# KiCad board control.kicad_pcb (continued)
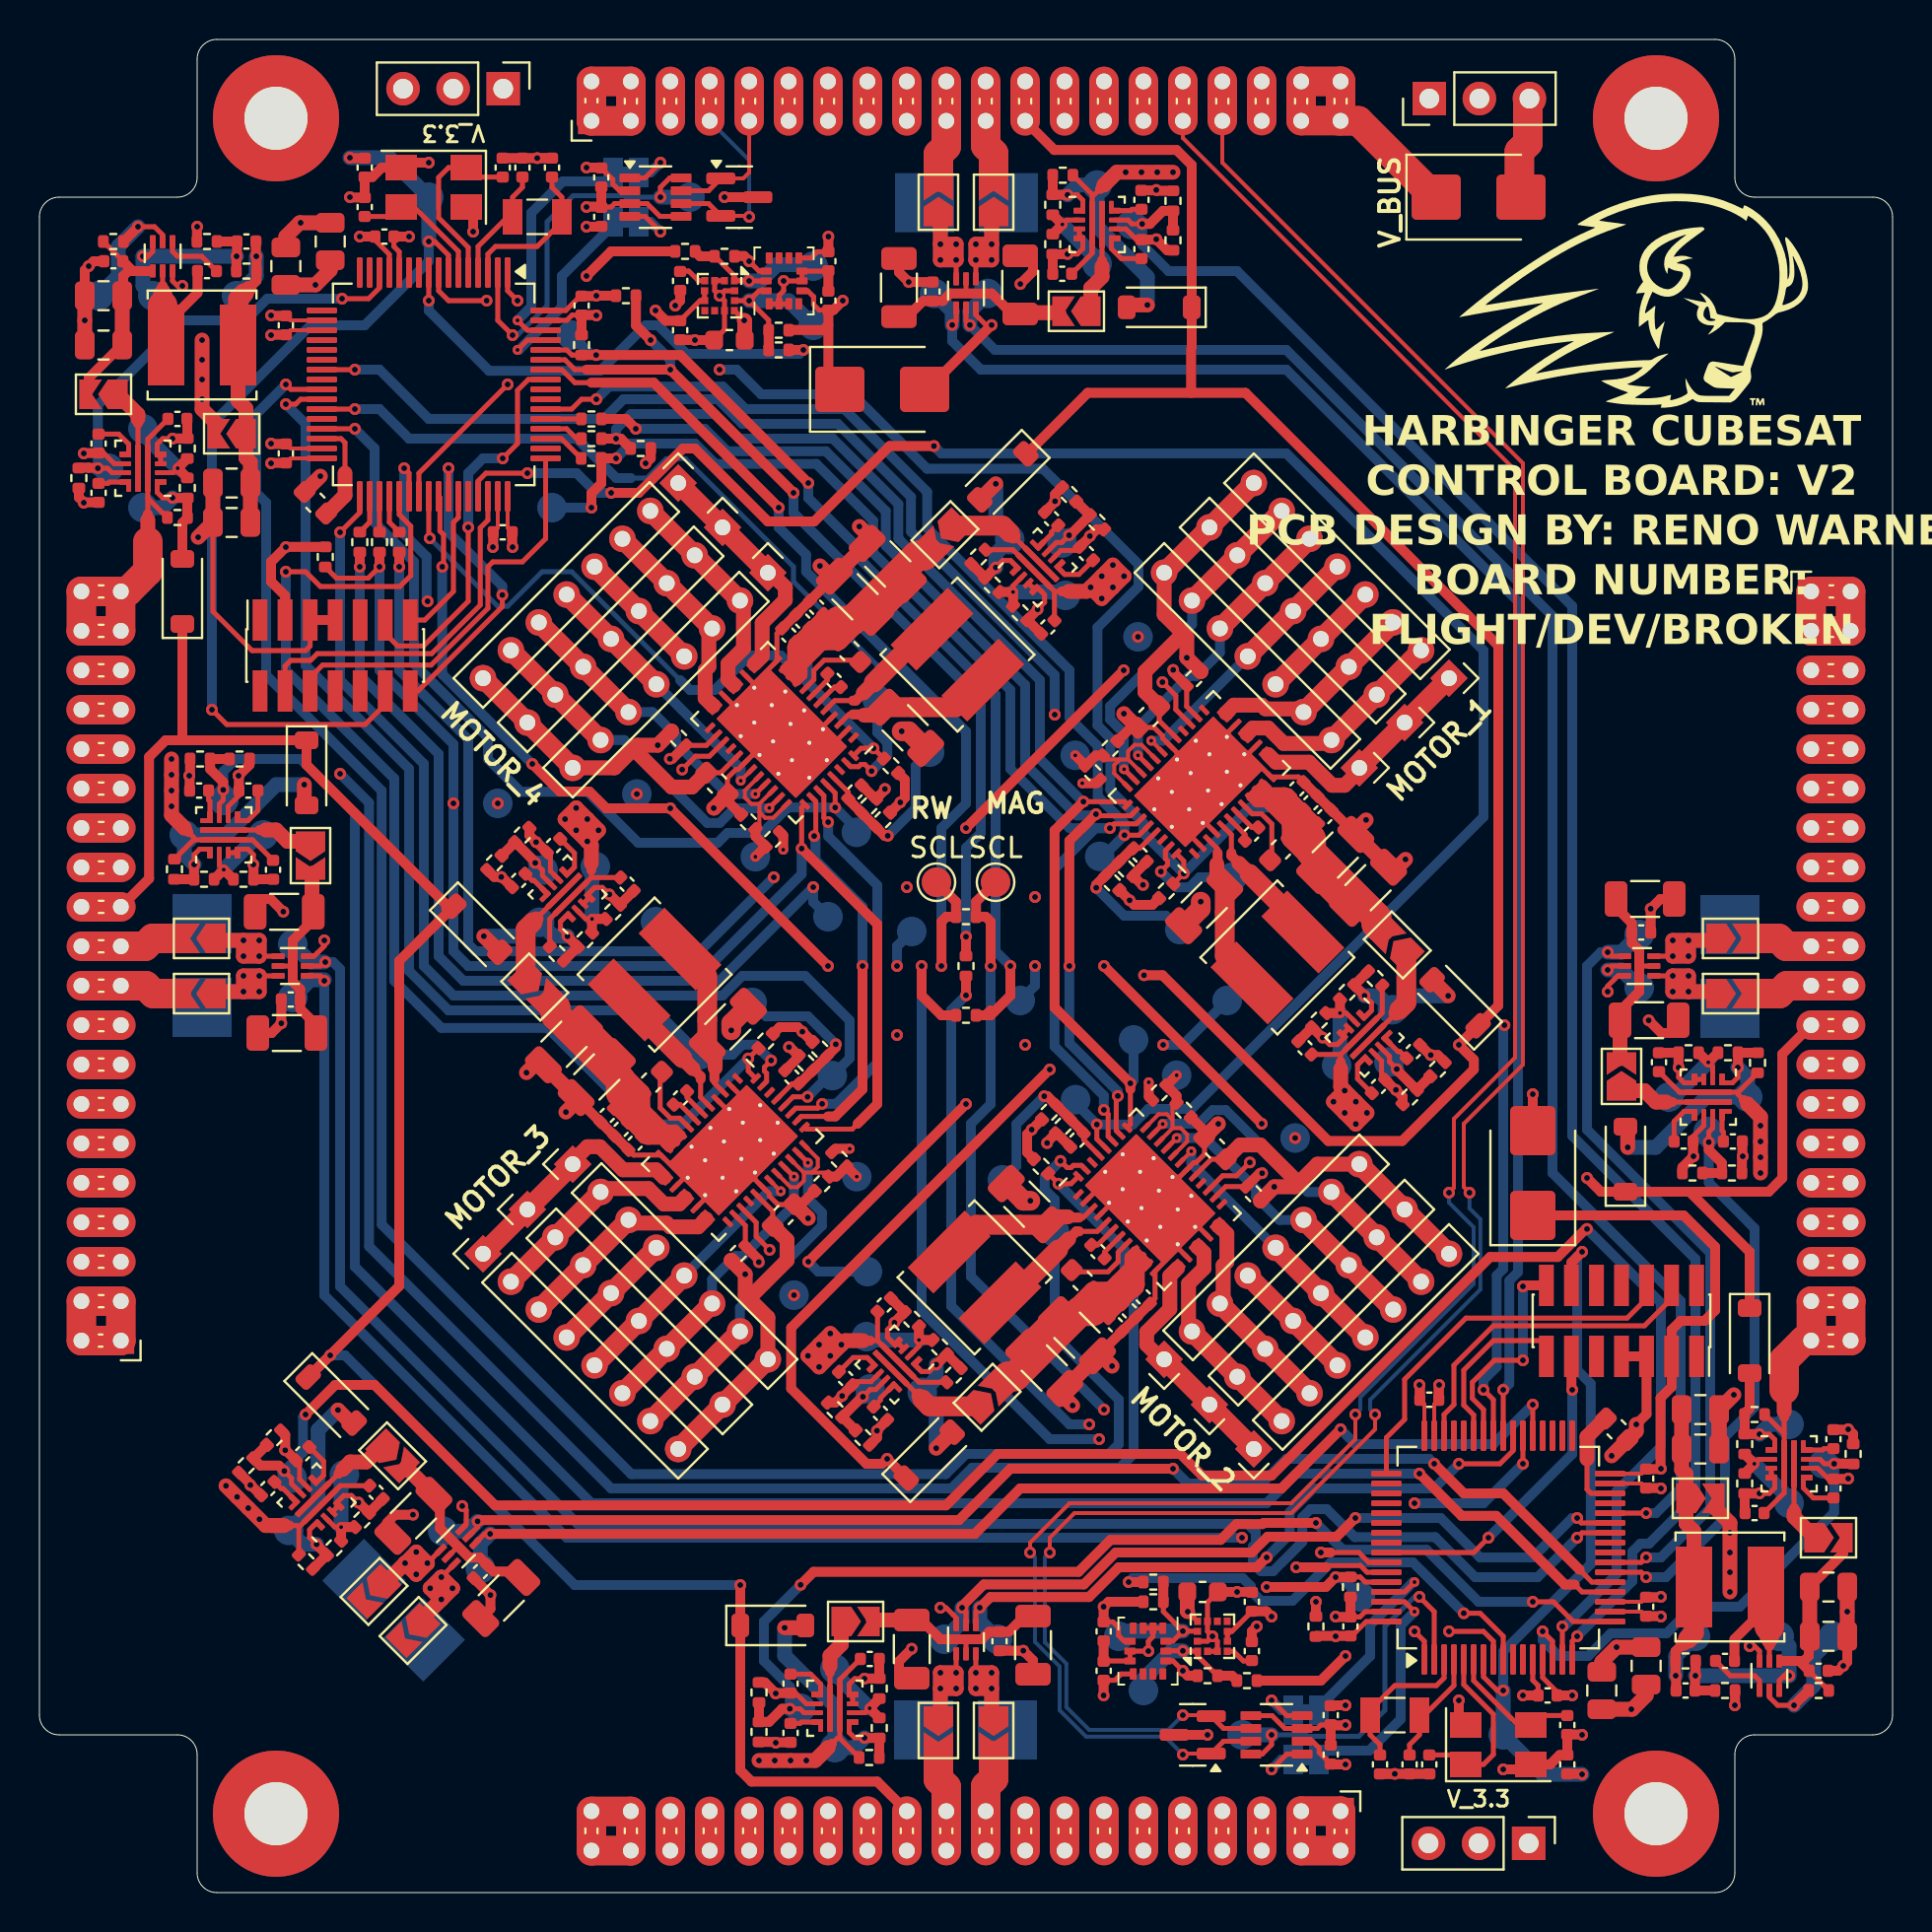
[diagram p0: board, top side]
## Routing (per net, layer and track width the routed paths; a pad name or vN(x,y) marks a point on that pad's centre or on a via; arc(x,y) is an arc through that point) (continued)
/REACTION WHEELS/SPI_3.MISO: length 61.1
  Top w0.25: U4.33 55.03,55.34 v1(52.96,55.34) ; 55.34,40.75 55.34,38.97 U12.33
  Top w0.5: 55.34,40.75 v1(55.34,41.05) 51.49,44.89 51.49,53.88 v1(52.96,55.34) ; R12.2 v1(29.25,73.75) 29.49,73.75 R16.2
  Bottom w0.5: TP7.1 55.5,41.21 v1(55.34,41.05) ; v1(52.96,55.34) 52.91,55.34 50.75,57.5 50.75,61.5 43.57,68.68 43.57,70.43 40.25,73.75 35.5,73.75 34.25,75 30.01,75 29.25,74.24 v1(29.25,73.75)
/REACTION WHEELS/SPI_3.MOSI: length 65
  Top w0.25: v1(54.7,40.41) 54.62,40.33 54.62,38.65 U12.34 ; U4.34 55.35,54.62 53.67,54.62 v1(53.59,54.7)
  Top w0.5: v1(52.24,47) 52.24,53.35 v1(53.59,54.7) 53.57,54.7 ; R13.2 29.75,74.75 v1(30.25,74.25)
  In2.Cu w0.5: v1(57,43) 56.3,43 54.64,41.34 54.64,40.47 v1(54.7,40.41)
  Bottom w0.5: v1(53.59,54.7) 53.53,54.64 52.61,54.64 50,57.25 50,61.25 42.93,68.32 42.93,70.07 39.89,73.11 34.89,73.11 33.75,74.25 v1(30.25,74.25) ; v1(57,43) 58,43 TP8.1 ; v1(54.7,40.41) 54.7,40.63 52.24,43.09 v1(52.24,47)
/REACTION WHEELS/V_3.3: length 56.2
  Top w0.2: U25.32 12.73,72.75 C108.1 ; C103.1 23.75,69.23 U25.48 ; U25.19 12.73,79.25 C106.1
  Top w0.25: U25.13 17.75,83.09 17.02,83.82 C109.1 ; U11.12 36.5,82.25 v1(36,82.75) ; v1(35.75,79.75) 35.26,80.24 U7.10 ; U26.5 31.48,85.03 30.82,85.67 U26.3 29.18,85.67 29,85.5 28.52,85.5 28.5,85.52 ; U11.5 38.97,81.25 39.27,80.95 39.27,80.55 39.55,80.27 C38.1 ; C37.1 39.45,83.23 39.13,82.91 U11.8 ; C25.1 32.5,79.74 33.51,80.75 U7.6 U7.5 ; 28.52,86.5 28.5,86.48 ; U25.64 26.7,80.25 27.43,80.98 C110.1 ; v1(24.25,80.75) 23.75,81.25 U25.1
  Top w0.5: C108.1 11.77,72.52 v1(11.75,72.5) ; D2.1 40,76.85 40,77 40.02,77.02 C38.1 40.27,80.27 v1(40.75,80.75) ; R16.1 31.01,72.76 v1(30.75,72.5) ; J19.3 12.46,65.79 11.75,66.5 11.75,67.5 v1(12.5,68.25) 12.51,68.26 R15.1 ; 38.01,79.26 39.77,79.26 40.02,79.51 ; C110.1 28.23,80.98 v1(28.25,81) R1.1 ; 28.48,85.5 28.5,85.52 27.77,85.52 v1(27.75,85.5) ; C106.1 11.77,79.02 v1(11.75,79) ; 28.48,86.5 28.5,86.48 C116.1 ; C109.1 v1(16.25,84) ; C25.1 31.77,79.73 v1(31.25,80.25) ; 36,82.76 35.75,83.01 35.26,83.01 ; v1(40.02,84) C37.1 ; C103.1 23.98,68.27 v1(24,68.25)
  Top w0.75: v1(35.75,79.75) 35.77,79.72 C26.1 35.75,78.78 ; v1(8.25,78.75) v1(8.25,75.75) 8.25,75.25 9,74.5 ; C105.1 12.5,84 13.2,84.7 v1(13.25,84.7) 14.5,84.7
  vias: v1(8.25,77.75) v1(8.25,76.75)
/SHUTDOWN: length 297.3
  Top w0.5: D7.1 86.75,32.5 83.7,35.55 80.7,35.55 ; v1(14.75,27.25) 13.65,26.15 D13.1 18.25,30.77 18.25,47.26 D11.1 20.72,50.03 13.55,57.2 D5.1 6.4,58.45 5.56,57.61 5.56,51.43 J3.23 ; J1.23 42.5,5.63 36.12,5.63 35.55,6.2 v1(35.55,15.6) ; 58.42,76.07 61.18,76.07 74,63.25 74,44.99 D10.1 72.97,43.97 v1(72,43) 72.76,42.24 72.76,41.76 69.12,38.12 65.38,38.12 56.97,46.53 v1(56.03,46.53) ; 58.42,76.07 58.42,78.29 ; 58.42,76.07 53.17,76.07 50,72.9 ; 58.45,78.4 58.45,87.62 57.68,88.39 51.48,88.39 J2.23 ; 7.25,58.45 D3.1 ; J4.23 88.41,42.54 88.41,36.24 87.72,35.55 79.2,35.55 v1(78.5,36.25) ; v1(51.25,41.75) 51.23,41.75 38.13,28.65 38.13,25.57 41.95,21.75 42.75,21.75 v1(43,22) 43.97,21.03 D9.1
  Top w1.5: J4.24 J4.23 ; J3.24 J3.23 ; J2.24 J2.23 ; J1.24 J1.23
  In1.Cu w0.5: v1(72,43) 72,40.01 75.76,36.25 v1(78.5,36.25)
  In1.Cu w0.75: v1(35.55,15.6) 36.6,15.6 v1(43,22)
  In2.Cu w0.5: v1(56.03,46.53) v1(51.25,41.75)
  Bottom w0.5: v1(35.55,15.6) 27.15,15.6 15.5,27.25 v1(14.75,27.25)
/V_BUS: length 184.2
  Top w0.25: U6.5 40.6,10.8 ; U6.5 40.6,7.83 R30.1 ; U6.5 40.6,10.81 C22.1 ; 42.51,27.99 U10.5 44.62,25.89 R43.1 ; 42.51,27.99 C34.1 ; 42.51,27.99 42.13,27.99 ; U20.5 15.27,20.64 C84.1 ; U20.5 15.26,20.63 ; U20.5 13.16,18.53 R85.1 ; 66.01,42.51 U1.5 68.11,44.62 R6.1 ; 66.01,42.51 66.01,42.13 ; 66.01,42.51 C1.1 ; 27.99,51.49 27.99,51.87 ; 27.99,51.49 U13.5 25.89,49.38 R60.1 ; 27.99,51.49 C49.1 ; U18.5 83.19,40.6 C78.1 ; U18.5 86.17,40.6 R80.1 ; U18.5 83.2,40.6 ; U21.5 53.4,83.15 C87.1 ; U21.5 53.4,86.13 R88.1 ; U21.5 53.4,83.16 ; R71.1 49.38,68.11 U15.5 51.49,66.01 ; 51.49,66.01 C62.1 ; 51.49,66.01 51.87,66.01 ; 7.85,53.5 7.55,53.8 ; 5.5,69.92 5.5,70.73 ; 5.5,70.73 U23.5 5.5,73.73 C93.1 ; 5.5,70.73 6.48,69.75 ; 86.15,40.5 86.45,40.2 ; 13.1,18.62 12.68,18.62 ; C31.1 10.81,53.4 U9.5 ; R35.1 7.83,53.4 U9.5 ; 40.5,7.85 40.2,7.55 ; U9.5 10.8,53.4 ; 88.5,24.11 88.5,23.3 ; 53.5,86.11 53.8,86.41 ; C118.1 88.5,20.27 U27.5 88.5,23.27 87.52,24.25
  Top w0.5: 7.35,54 7.55,53.8 ; 66.01,41.78 66.01,42.13 ; 40,7.35 40.2,7.55 ; 52.22,66.01 51.87,66.01 ; 27.99,52.22 27.99,51.87 ; 5.5,69.92 5.5,69.62 ; 54,86.61 53.8,86.41 ; 88.5,24.11 88.5,24.41 ; 41.78,27.99 42.13,27.99 ; 86.65,40 86.45,40.2 ; 12.4,18.62 12.68,18.62
  Top w0.75: v1(66.77,38.98) v1(66.77,40.12) v1(66.21,39.55) ; v1(66.77,38.98) v1(67.34,39.55) v1(66.21,40.68) ; v1(66.77,38.98) v1(66.21,39.55) ; v1(66.21,40.68) v1(65.64,40.12) v1(66.21,39.55) ; v1(66.21,40.68) v1(66.21,39.55) ; v1(66.21,40.68) 66.01,40.88 66.01,41.78 ; v1(38.98,27.23) v1(39.55,26.66) v1(40.68,27.79) ; v1(38.98,27.23) v1(39.55,27.79) ; v1(38.98,27.23) v1(40.12,27.23) v1(39.55,27.79) ; 87.1,39.55 86.65,40 87.3,39.35 v1(87.3,38.1) v1(87.3,37.3) v1(87.3,36.5) ; v1(53.32,66.21) 53.12,66.01 52.22,66.01 ; v1(53.32,66.21) v1(53.88,65.64) v1(54.45,66.21) ; v1(53.32,66.21) v1(54.45,66.21) ; v1(53.32,66.21) v1(54.45,67.34) v1(55.02,66.77) ; v1(55.02,66.77) v1(54.45,66.21) ; v1(55.02,66.77) v1(53.88,66.77) v1(54.45,66.21) ; 88.5,24.81 88.5,24.41 ; v1(27.23,55.02) v1(27.79,54.45) ; v1(27.23,55.02) v1(27.23,53.88) v1(27.79,54.45) ; v1(27.23,55.02) v1(26.66,54.45) v1(27.79,53.32) ; v1(27.79,54.45) v1(27.79,53.32) ; v1(27.79,54.45) v1(28.36,53.88) v1(27.79,53.32) ; 27.99,52.22 27.99,53.12 v1(27.79,53.32) ; 11.76,18.62 12.4,18.62 11.48,18.62 v1(10.59,19.5) v1(10.03,20.07) v1(9.46,20.63) ; v1(39.55,27.79) v1(40.68,27.79) ; v1(39.55,27.79) v1(40.12,28.36) v1(40.68,27.79) ; v1(40.68,27.79) 40.88,27.99 41.78,27.99 ; 6.9,54.45 7.35,54 6.7,54.65 v1(6.7,55.9) v1(6.7,56.7) v1(6.7,57.5) ; 39.55,6.9 40,7.35 39.35,6.7 v1(38.1,6.7) v1(37.3,6.7) v1(36.5,6.7) ; 54.45,87.06 54,86.61 54.65,87.26 v1(55.9,87.26) v1(56.7,87.26) v1(57.5,87.26) ; 5.5,69.22 5.5,69.62
  Top w1.5: 4.12,66 4.12,64 2.12,64 ; 4.12,66 4.48,66 5.5,67.02 5.5,68.52 ; 4.12,66 2.12,66 ; 30,2.12 30,4.12 28,4.12 28,2.12 ; 66,91.88 66,89.88 64,89.88 64,91.88 ; 91.88,30 89.88,30 89.88,28 ; 65.92,89.87 66.9,89.87 70.77,86 ; J4.38 J4.40 ; J3.38 J3.40 ; 89.88,28 89.49,28 88.5,27.01 88.5,25.51 ; 89.88,28 91.88,28 ; J1.38 J1.40 ; J2.38 J2.40
  vias: v1(6.7,55.1) v1(11.16,18.94) v1(38.9,6.7) v1(55.1,87.26) v1(87.3,38.9)
/V_GND: length 412.6
  Top w0.2: 70.75,24.77 U29.47 70.75,24.77 ; 70.75,24.77 C128.2 70.75,24.77 ; C103.2 23.25,69.23 U25.47 ; U29.31 81.27,20.75 C133.2 ; C106.2 12.73,79.75 U25.18 ; C108.2 12.73,73.25 U25.31 ; U29.18 81.27,14.25 C131.2
  Top w0.25: U17.41 35.2,60.23 U17.18 ; U12.41 57.83,36.3 U12.26 58.56,37.03 58.67,37.03 59.1,37.46 59.1,38.28 C48.2 59.1,38.29 ; U29.63 67.25,14.25 66.98,13.98 C135.2 ; v1(50.63,65.09) 50.99,65.45 50.99,65.84 U15.4 ; U18.8 84.42,38.9 83.88,38.36 C80.2 ; v1(83.15,41.85) 83.15,41.35 83.42,41.08 83.78,41.08 ; C51.2 25.92,52.59 25.92,51.82 U13.8 ; 38.29,34.9 C61.2 38.28,34.9 37.46,34.9 37.03,35.33 37.03,35.44 U14.26 36.3,36.17 U14.41 ; U12.4 54.26,34.85 U12.41 ; v1(59.5,13) 59.25,12.75 U3.12 ; v1(59.5,13) 59.25,13.25 U3.9 59.25,14.73 C7.2 ; v1(59.5,13) 59.75,12.75 U3.3 U3.2 ; U12.2 54.06,36.07 U12.41 ; U4.2 57.93,54.06 U4.41 ; C26.2 34.75,79.28 U7.9 34.75,80.75 v1(34.5,81) ; C12.1 63.86,56.59 U4.12 61.33,57.74 U4.41 61.29,57.74 U4.15 ; 55.71,59.1 C18.2 55.72,59.1 56.54,59.1 56.97,58.67 56.97,58.56 U4.26 57.7,57.83 U4.41 ; U30.2 64.58,7.67 64.91,7.34 64.91,7.1 C142.2 ; v1(65.09,43.37) 65.45,43.01 65.84,43.01 U1.4 ; C71.1 37.41,63.86 U17.12 36.26,61.33 U17.41 36.26,61.29 U17.15 ; U22.3 47.5,80.03 48.01,79.51 v1(48.3,79.51) ; U17.41 36.17,57.7 U17.26 35.44,56.97 35.33,56.97 34.9,56.54 34.9,55.72 C77.2 34.9,55.71 ; C120.2 90.75,20.98 90.2,21.52 U27.8 ; U13.4 28.16,50.99 28.55,50.99 v1(28.91,50.63) ; C117.2 29.09,86.9 29.09,86.66 29.43,86.33 U26.2 ; U14.41 36.07,39.94 U14.2 ; C95.2 3.26,73.02 3.8,72.47 U23.8 ; v1(21.45,19.61) 21.65,19.41 21.65,18.68 U19.3 ; U4.41 60.23,58.8 U4.18 ; C86.2 13.19,21.74 13.19,20.97 U20.8 ; v1(34.5,81) 34.75,81.25 U7.12 ; v1(34.5,81) 34.25,81.25 U7.3 U7.2 ; C110.2 27.02,80.02 26.75,79.75 U25.63 ; C24.2 38.36,10.12 38.9,9.58 U6.8 ; 72.07,8.78 Y3.4 ; C42.1 56.59,30.14 U12.12 57.74,32.67 U12.41 57.74,32.71 U12.15 ; C64.2 52.59,68.08 51.82,68.08 U15.8 ; C33.2 10.12,55.64 9.58,55.1 U9.8 ; U6.3 U6.4 ; U24.3 6.75,81.75 7,81.5 v1(7.25,81.5) ; U16.3 80.06,46.5 79.55,45.99 v1(79.55,45.7) ; v1(16.18,19.79) 15.83,20.14 15.44,20.14 U20.4 ; C3.2 68.08,41.41 68.08,42.18 U1.8 ; 52.92,83.74 52.92,83.39 52.65,83.11 v1(52.15,83.11) ; U11.3 U11.2 ; U11.2 U11.1 ; U11.2 37.52,81.02 37.75,81.25 v1(37.75,81.75) U11.6 U11.7 40,82.25 C37.2 39.97,82.27 ; U2.3 U2.2 ; U2.2 U2.1 ; U2.2 56.48,12.98 56.25,12.75 v1(56.25,12.25) U2.6 U2.7 54,11.75 C4.2 54.03,11.73 ; v1(41.85,10.85) 41.35,10.85 41.08,10.58 41.08,10.23 ; v1(6.75,73.75) 6.25,73.75 5.98,73.47 U23.4 ; U12.41 58.8,33.77 U12.18 ; U20.3 U20.4 ; U13.3 U13.4 ; U9.3 U9.4 ; U14.4 34.85,39.74 U14.41 ; v1(86.75,12.5) 87,12.5 87.25,12.25 U28.3 ; U27.3 U27.4 ; v1(87.25,20.25) 87.75,20.25 88.03,20.52 U27.4 ; U25.12 18.25,83.23 17.98,83.5 C109.2 ; U17.4 39.74,59.15 U17.41 ; 21.93,85.22 Y1.4 ; U17.41 39.94,57.93 U17.2 ; U8.3 13.94,47.5 14.45,48.01 v1(14.45,48.3) ; U1.3 U1.4 ; U15.3 U15.4 ; U21.3 U21.4 ; C89.2 55.64,83.84 55.1,84.39 U21.8 ; C134.2 76.02,10.5 75.75,10.77 U29.12 ; U4.41 59.15,54.26 U4.4 ; U10.4 43.01,28.16 43.01,28.55 v1(43.37,28.91) ; U14.18 33.77,35.2 U14.41 ; U14.15 32.71,36.26 U14.41 32.67,36.26 U14.12 30.14,37.41 C55.1 ; v1(45.7,14.45) 45.99,14.45 46.5,13.94 U5.3 ; v1(10.85,52.15) 10.85,52.65 10.58,52.92 10.23,52.92 ; C102.2 8.8,64.98 10.78,63 13.5,63 13.73,63.23 J19.5 ; U18.3 U18.4 ; U23.3 U23.4 ; U10.3 U10.4 ; C36.2 41.41,25.92 42.18,25.92 U10.8
  Top w0.5: 56.69,83.9 v1(56.65,83.86) ; v1(56.65,83.86) 56.63,83.84 C89.2 ; v1(56.65,83.86) 57.21,83.3 R91.1 ; C34.2 R45.2 43.37,28.92 v1(43.37,28.91) ; Y3.4 72,8.85 v1(72,9.75) 72,8.48 ; R39.1 83.34,36.79 v1(83.9,37.35) ; C57.2 27.23,40.32 C55.1 ; C27.2 32.5,80.75 v1(32.25,80.5) ; v1(48.3,79.51) 45.04,76.25 D2.2 ; v1(74.25,6.25) 75.4,6.25 Y3.2 76.64,6.5 77.12,6.98 C129.2 C140.1 78.23,8.02 v1(78.25,8) ; C85.2 10.73,20.67 v1(10.7,20.67) 10.7,20.73 R84.1 ; 50.4,82.81 50.4,82.24 v1(49.76,81.59) ; J21.7 J21.5 81.52,24.27 v1(81,23.75) ; C84.2 R87.2 16.19,19.79 v1(16.18,19.79) ; 91.75,23.51 92,23.26 92,22.77 ; C142.2 65.52,6.5 v1(66.25,6.5) ; R70.1 53.62,69.15 v1(53.28,68.81) 53.28,68.78 C64.2 ; C124.2 91.7,11.7 v1(91.5,11.5) 91.25,11.25 C123.2 ; C23.2 37.37,7.62 v1(37.35,7.6) 37.31,7.64 R23.1 ; R22.1 36.79,10.66 v1(37.35,10.1) ; 10.06,56.69 v1(10.1,56.65) ; v1(10.1,56.65) 10.66,57.21 R33.1 ; v1(10.1,56.65) 10.12,56.63 C33.2 ; v1(50.63,65.09) 50.63,65.08 R73.2 C62.2 ; R92.1 56.69,86.32 v1(56.65,86.36) 56.63,86.34 C88.2 ; C44.2 53.68,27.23 C42.1 ; C120.2 91.73,20.98 v1(91.75,21) ; C91.2 43.6,82.19 v1(44.09,81.69) C90.2 ; C19.2 v1(49.91,12.27) 50.4,11.77 50.4,11.08 ; C87.2 R90.2 52.14,83.1 v1(52.15,83.11) ; R98.2 7.99,84.49 v1(8,84.5) ; R69.1 51.52,70.93 v1(51.52,70.57) 51.52,70.55 C63.2 ; C69.2 42.39,55.48 R77.2 42.89,55.94 v1(42.89,55.98) ; J19.5 J19.7 ; C14.2 66.77,53.68 C12.1 ; v1(82.25,14) 82.23,14.02 C131.2 ; C28.2 v1(12.27,44.09) 11.77,43.6 11.08,43.6 ; D15.3 v1(34.75,86) ; C7.2 v1(60.75,15.25) 61.48,15.25 C6.2 ; v1(11.75,73.5) 11.77,73.48 C108.2 ; C118.2 86.5,19.27 R102.2 87.24,20.24 v1(87.25,20.25) ; C10.2 55.48,51.61 R27.2 55.94,51.11 v1(55.98,51.11) ; v1(82.25,20.5) 82.23,20.52 C133.2 ; v1(65.75,14) 65.77,13.98 C135.2 R106.2 ; C22.2 R32.2 41.86,10.86 v1(41.85,10.85) ; v1(10.85,52.15) 10.86,52.14 R37.2 C31.2 ; C25.2 32.52,78.75 v1(33.25,78.75) C26.2 ; 70.98,25.73 v1(71,25.75) 70.98,25.73 ; 70.98,25.73 C128.2 70.98,25.73 ; v1(38.02,42.89) 38.06,42.89 R66.2 38.52,42.39 C53.2 ; R40.1 86.36,37.31 v1(86.4,37.35) 86.38,37.37 C79.2 ; C86.2 12.5,22.44 v1(12.47,22.44) ; R64.2 38.65,34.92 C61.2 ; v1(11.75,80) 11.77,79.98 C106.2 ; C36.2 40.72,25.22 v1(40.72,25.19) 40.38,24.85 R42.1 ; v1(68.75,6.02) C138.2 C137.2 C139.2 ; C109.2 v1(18.75,84) ; R47.1 69.15,40.38 v1(68.81,40.72) 68.78,40.72 C3.2 ; Y1.4 22,85.15 v1(22,84.25) 22,85.52 ; v1(12.37,49.76) 11.73,50.4 11.15,50.4 ; C141.2 65.52,9.5 v1(66.25,9.5) ; v1(91.75,23.5) 91.73,23.48 C119.2 ; v1(12.47,22.44) 12.41,22.44 ; v1(12.47,22.44) 12.47,23.23 R83.1 ; R105.2 86.01,9.51 v1(86,9.5) ; v1(2.25,73) 2.27,73.02 C95.2 ; R25.2 55.35,59.08 C18.2 ; C24.2 37.37,10.12 v1(37.35,10.1) ; v1(75.75,40.5) D6.2 ; v1(44.24,12.37) 43.6,11.73 43.6,11.15 ; 82.85,43.6 82.28,43.6 v1(81.63,44.24) ; C117.2 28.48,87.5 v1(27.75,87.5) ; C116.2 28.48,84.5 v1(27.75,84.5) ; v1(6.75,73.75) 6.76,73.76 R95.2 7.5,74.73 C93.2 ; 2.25,70.52 2,70.77 2,71.26 ; C51.2 25.22,53.28 v1(25.19,53.28) 24.85,53.62 R59.1 ; v1(83.9,37.35) 83.94,37.31 ; v1(83.9,37.35) 83.88,37.37 C80.2 ; R53.2 59.08,38.65 C48.2 ; C98.2 2.75,82.75 v1(2.5,82.5) 2.3,82.3 C99.2 ; v1(65.09,43.37) 65.08,43.37 R8.2 C1.2 ; C81.2 v1(22.88,15.09) 22.88,14.39 C82.2 ; v1(19.75,87.75) 18.6,87.75 Y1.2 17.36,87.5 16.88,87.02 C104.2 C115.1 15.77,85.98 v1(15.75,86) ; R46.1 70.93,42.48 v1(70.57,42.48) 70.55,42.48 C2.2 ; v1(37.35,10.1) 37.31,10.06 ; v1(61.75,13.5) 61.5,13.25 C8.2 ; C73.2 40.32,66.77 C71.1 ; v1(28.91,50.63) 28.92,50.63 R62.2 C49.2 ; 17.63,18.76 18.04,19.17 v1(18.95,19.17) ; C5.2 C4.2 ; C65.2 v1(81.73,49.91) 82.22,50.4 82.92,50.4 ; C94.2 2.27,70.52 v1(2.25,70.5) ; v1(25.25,87.98) C113.2 C112.2 C114.2 ; C38.2 C37.2 ; R41.1 42.48,23.07 v1(42.48,23.43) 42.48,23.45 C35.2 ; R75.2 34.92,55.35 C77.2 ; C134.2 v1(75.25,10) ; C103.2 23.02,68.27 v1(23,68.25) ; R58.1 23.07,51.52 v1(23.43,51.52) 23.45,51.52 C50.2 ; C78.2 R82.2 83.14,41.86 v1(83.15,41.85) ; D16.3 v1(59.25,8) ; C40.2 51.61,38.52 R55.2 51.11,38.06 v1(51.11,38.02) ; R99.2 C110.2 28.23,80.02 v1(28.25,80) ; 32.5,78.78 32.52,78.76 33.25,78.76 ; C32.2 7.62,56.63 v1(7.6,56.65) 7.64,56.69 R34.1
  Top w0.75: 27.4,40.29 v1(26.7,39.59) ; C132.2 79.25,11.7 v1(80,12.45) C130.2 ; v1(69.3,52.41) 68.9,52.01 C13.2 C14.2 ; v1(52.41,24.7) 52.01,25.1 C43.2 C44.2 ; v1(79.75,22.15) C136.2 81,23.4 v1(81,23.75) ; C124.2 v1(91.7,14.25) C125.2 ; v1(41.59,69.3) 41.99,68.9 C72.2 C73.2 ; v1(14.25,71.85) C111.2 ; 40.29,66.6 v1(39.59,67.3) ; v1(24.7,41.59) 25.1,41.99 C56.2 C57.2 ; C99.2 v1(2.3,79.75) C100.2 ; v1(8.05,68.75) C102.2 C101.2 ; v1(59.8,38.99) 59.78,38.99 C48.2 ; C105.2 v1(14,81.55) 14.75,82.3 C107.2 ; v1(85.95,25.25) C127.2 ; C127.2 C126.2 C127.2 ; 53.71,27.4 v1(54.41,26.7) ; 66.6,53.71 v1(67.3,54.41) ; v1(34.2,55.01) 34.22,55.01 C77.2 ; C61.2 38.99,34.22 v1(38.99,34.2) ; v1(55.01,59.8) 55.01,59.78 C18.2
  Top w1: J11.4 J12.4 ; C58.1 35.09,44.09 v1(35.09,43.74) ; C15.1 58.91,49.91 v1(58.91,50.26) ; v1(50.26,35.09) 49.91,35.09 C45.1 ; v1(43.74,58.91) 44.09,58.91 C74.1 ; J8.4 J9.4 ; J14.4 J15.4 ; J5.4 J6.4
  Top w1.5: J2.5 J2.6 ; J3.5 J3.6 ; 89.88,32 91.88,32 ; J1.5 J1.6 ; 75.07,86 75.07,88.32 75.5,88.75 75.5,91 ; J4.5 J4.6 ; 4.12,62 2.12,62 ; 62,89.88 62,91.88 ; 32,4.12 32,2.12
Net-(JP23-B): length 3.2
  Top w0.25: U26.1 30.73,86.97 v1(31.5,87.75)
  Bottom w0.5: v1(31.5,87.75) 31,87.25 JP23.2
Net-(JP24-B): length 3.2
  Top w0.25: v1(31.5,84.25) 30.73,85.03 U26.4
  Bottom w0.5: v1(31.5,84.25) 31,84.75 JP24.2
Net-(JP26-B): length 3.2
  Top w0.25: v1(62.5,6.25) 63.27,7.02 U30.1
  Bottom w0.5: JP26.2 63,6.75 v1(62.5,6.25)
Net-(JP27-B): length 3.2
  Top w0.25: v1(62.5,9.75) 63.27,8.98 U30.4
  Bottom w0.5: JP27.2 63,9.25 v1(62.5,9.75)
Net-(U3-C1): length 1.5
  Top w0.25: C8.1 61.48,11.75 61.06,11.75 60.58,12.24 U3.4
Net-(U4-CP): length 3.7
  Top w0.25: C16.2 62.51,52.46 62.51,54.2 62,54.72 61.52,54.72 U4.8
Net-(U4-CPH): length 1.4
  Top w0.25: C17.1 61.5,54.03 U4.7
Net-(U4-CPL): length 1.4
  Top w0.25: U4.6 61.15,53.68 C17.2
Net-(U4-FB_BK): length 10.6
  Top w0.25: U4.3 59.76,52.94 59.76,51.49
  Top w0.5: 59.76,52.74 59.76,51.49 C15.2
  Top w0.75: 59.72,52.17 59.72,51.53 C15.2
  Top w1: L1.1 60.13,47.52 C15.2
Net-(U4-SW_BK): length 7.2
  Top w0.25: 60.46,52.74 60.46,53.66 U4.5
  Top w0.5: 60.46,52.74 60.46,52.6 60.85,52.21
  Top w0.75: 61.38,51.68 60.85,52.21 ; L1.2 64.09,48.79
  Top w1: 61.38,51.68 64.09,48.97 L1.2
Net-(U7-C1): length 1.5
  Top w0.25: C27.1 32.52,82.25 32.94,82.25 33.42,81.76 U7.4
Net-(U12-CP): length 3.7
  Top w0.25: C46.2 52.46,31.49 54.2,31.49 54.72,32 54.72,32.48 U12.8
Net-(U12-CPH): length 1.4
  Top w0.25: C47.1 54.03,32.5 U12.7
Net-(U12-CPL): length 1.4
  Top w0.25: U12.6 53.68,32.85 C47.2
Net-(U12-FB_BK): length 10.6
  Top w0.25: 51.49,34.24 52.94,34.24 U12.3
  Top w0.5: C45.2 51.49,34.24 52.74,34.24
  Top w0.75: 52.17,34.28 51.53,34.28 C45.2
  Top w1: L2.1 47.52,33.87 C45.2
Net-(U12-SW_BK): length 7.2
  Top w0.25: 52.74,33.54 53.66,33.54 U12.5
  Top w0.5: 52.74,33.54 52.6,33.54 52.21,33.15
  Top w0.75: L2.2 48.79,29.91 ; 51.68,32.62 52.21,33.15
  Top w1: L2.2 48.97,29.91 51.68,32.62
Net-(U14-CP): length 3.7
  Top w0.25: C59.2 31.49,41.54 31.49,39.8 32,39.28 32.48,39.28 U14.8
Net-(U14-CPH): length 1.4
  Top w0.25: C60.1 32.5,39.97 U14.7
Net-(U14-CPL): length 1.4
  Top w0.25: U14.6 32.85,40.32 C60.2
Net-(U14-FB_BK): length 10.6
  Top w0.25: 34.24,42.51 34.24,41.06 U14.3
  Top w0.5: 34.24,41.26 34.24,42.51 C58.2
  Top w0.75: C58.2 34.28,42.47 34.28,41.83
  Top w1: L3.1 33.87,46.48 C58.2
Net-(U14-SW_BK): length 7.2
  Top w0.25: 33.54,41.26 33.54,40.34 U14.5
  Top w0.5: 33.54,41.26 33.54,41.4 33.15,41.79
  Top w0.75: 32.62,42.32 33.15,41.79 ; L3.2 29.91,45.21
  Top w1: 32.62,42.32 29.91,45.03 L3.2
Net-(U17-CP): length 3.7
  Top w0.25: C75.2 41.54,62.51 39.8,62.51 39.28,62 39.28,61.52 U17.8
Net-(U17-CPH): length 1.4
  Top w0.25: U17.7 39.97,61.5 C76.1
Net-(U17-CPL): length 1.4
  Top w0.25: C76.2 40.32,61.15 U17.6
Net-(U17-FB_BK): length 10.6
  Top w0.25: 42.51,59.76 41.06,59.76 U17.3
  Top w0.5: 41.26,59.76 42.51,59.76 C74.2
  Top w0.75: C74.2 42.47,59.72 41.83,59.72
  Top w1: C74.2 46.48,60.13 L4.1
Net-(U17-SW_BK): length 7.2
  Top w0.25: U17.5 40.34,60.46 41.26,60.46
  Top w0.5: 41.79,60.85 41.4,60.46 41.26,60.46
  Top w0.75: L4.2 45.21,64.09 ; 42.32,61.38 41.79,60.85
  Top w1: L4.2 45.03,64.09 42.32,61.38
Net-(U24-BST): length 3.1
  Top w0.25: U24.4 6.75,83.25 7,83 8.23,83 C96.1
Net-(U24-EN): length 7.2
  Top w0.25: U24.5 6.25,84.09 5.84,84.5 v1(5,84.5)
  Top w0.5: R97.2 5,84.49 v1(5,84.5)
  Bottom w0.75: v1(5,84.5) 4,83.5 4,82 TP90.1
Net-(U28-BST): length 3.1
  Top w0.25: C121.1 85.77,11 87,11 87.25,10.75 U28.4
Net-(U28-EN): length 7.2
  Top w0.25: v1(89,9.5) 88.16,9.5 87.75,9.91 U28.5
  Top w0.5: R104.2 89,9.51 v1(89,9.5)
  Bottom w0.75: v1(89,9.5) 90,10.5 90,12 TP99.1

## Copper pours and planes (outline as drawn; the poured copper is in the pictures)
/MAGNETORQUERS/V_3.3 on In2.Cu: 97,-3 97,26.25 67.25,26.25 61.5,20.5 51.75,20.5 51.75,-3
/REACTION WHEELS/V_3.3 on In2.Cu: -3,97 -3,67.75 26.75,67.75 32.5,73.5 42.25,73.5 42.25,97
/V_BUS on In2.Cu: 97,-3 97,97 -3,97 -3,-3
/V_GND on In1.Cu: 97,-3 97,97 -3,97 -3,-3

## Text on the board
B.Silkscreen: V_3.3 | MOTOR_3 | MAG | MOTOR_1 | V_BUS | MOTOR_4 | MOTOR_2 | RW | SPI_2 | SPI_3 | HARBINGER CUBESAT / CONTROL BOARD: V2 / PCB DESIGN BY: RENO WARNER / BOARD NUMBER: / FLIGHT/DEV/BROKEN
F.Silkscreen: V_3.3 | MOTOR_4 | MOTOR_2 | RW | MAG | MOTOR_3 | MOTOR_1 | V_BUS | HARBINGER CUBESAT / CONTROL BOARD: V2 / PCB DESIGN BY: RENO WARNER / BOARD NUMBER: / FLIGHT/DEV/BROKEN
